# Altium PCB Graviton-EC2.PcbDoc (part 12 of 12)
Units mil, origin at the board's own origin, x right, y up, seen from the top; angles counter-clockwise.
Board outline 7874.02 x 7874.02 mil, 10 copper layers (Top Layer, Internal Plane 1, Signal Layer 1, Internal Plane 2, Signal Layer 2, Signal Layer 3, Internal Plane 3, Signal Layer 4, Internal Plane 4, Bottom Layer), stack 65.914 mil thick; 1307 components, 1540 nets, 8037 pads, 1837 vias.
Unrouted connection lines stored in the file: 117.
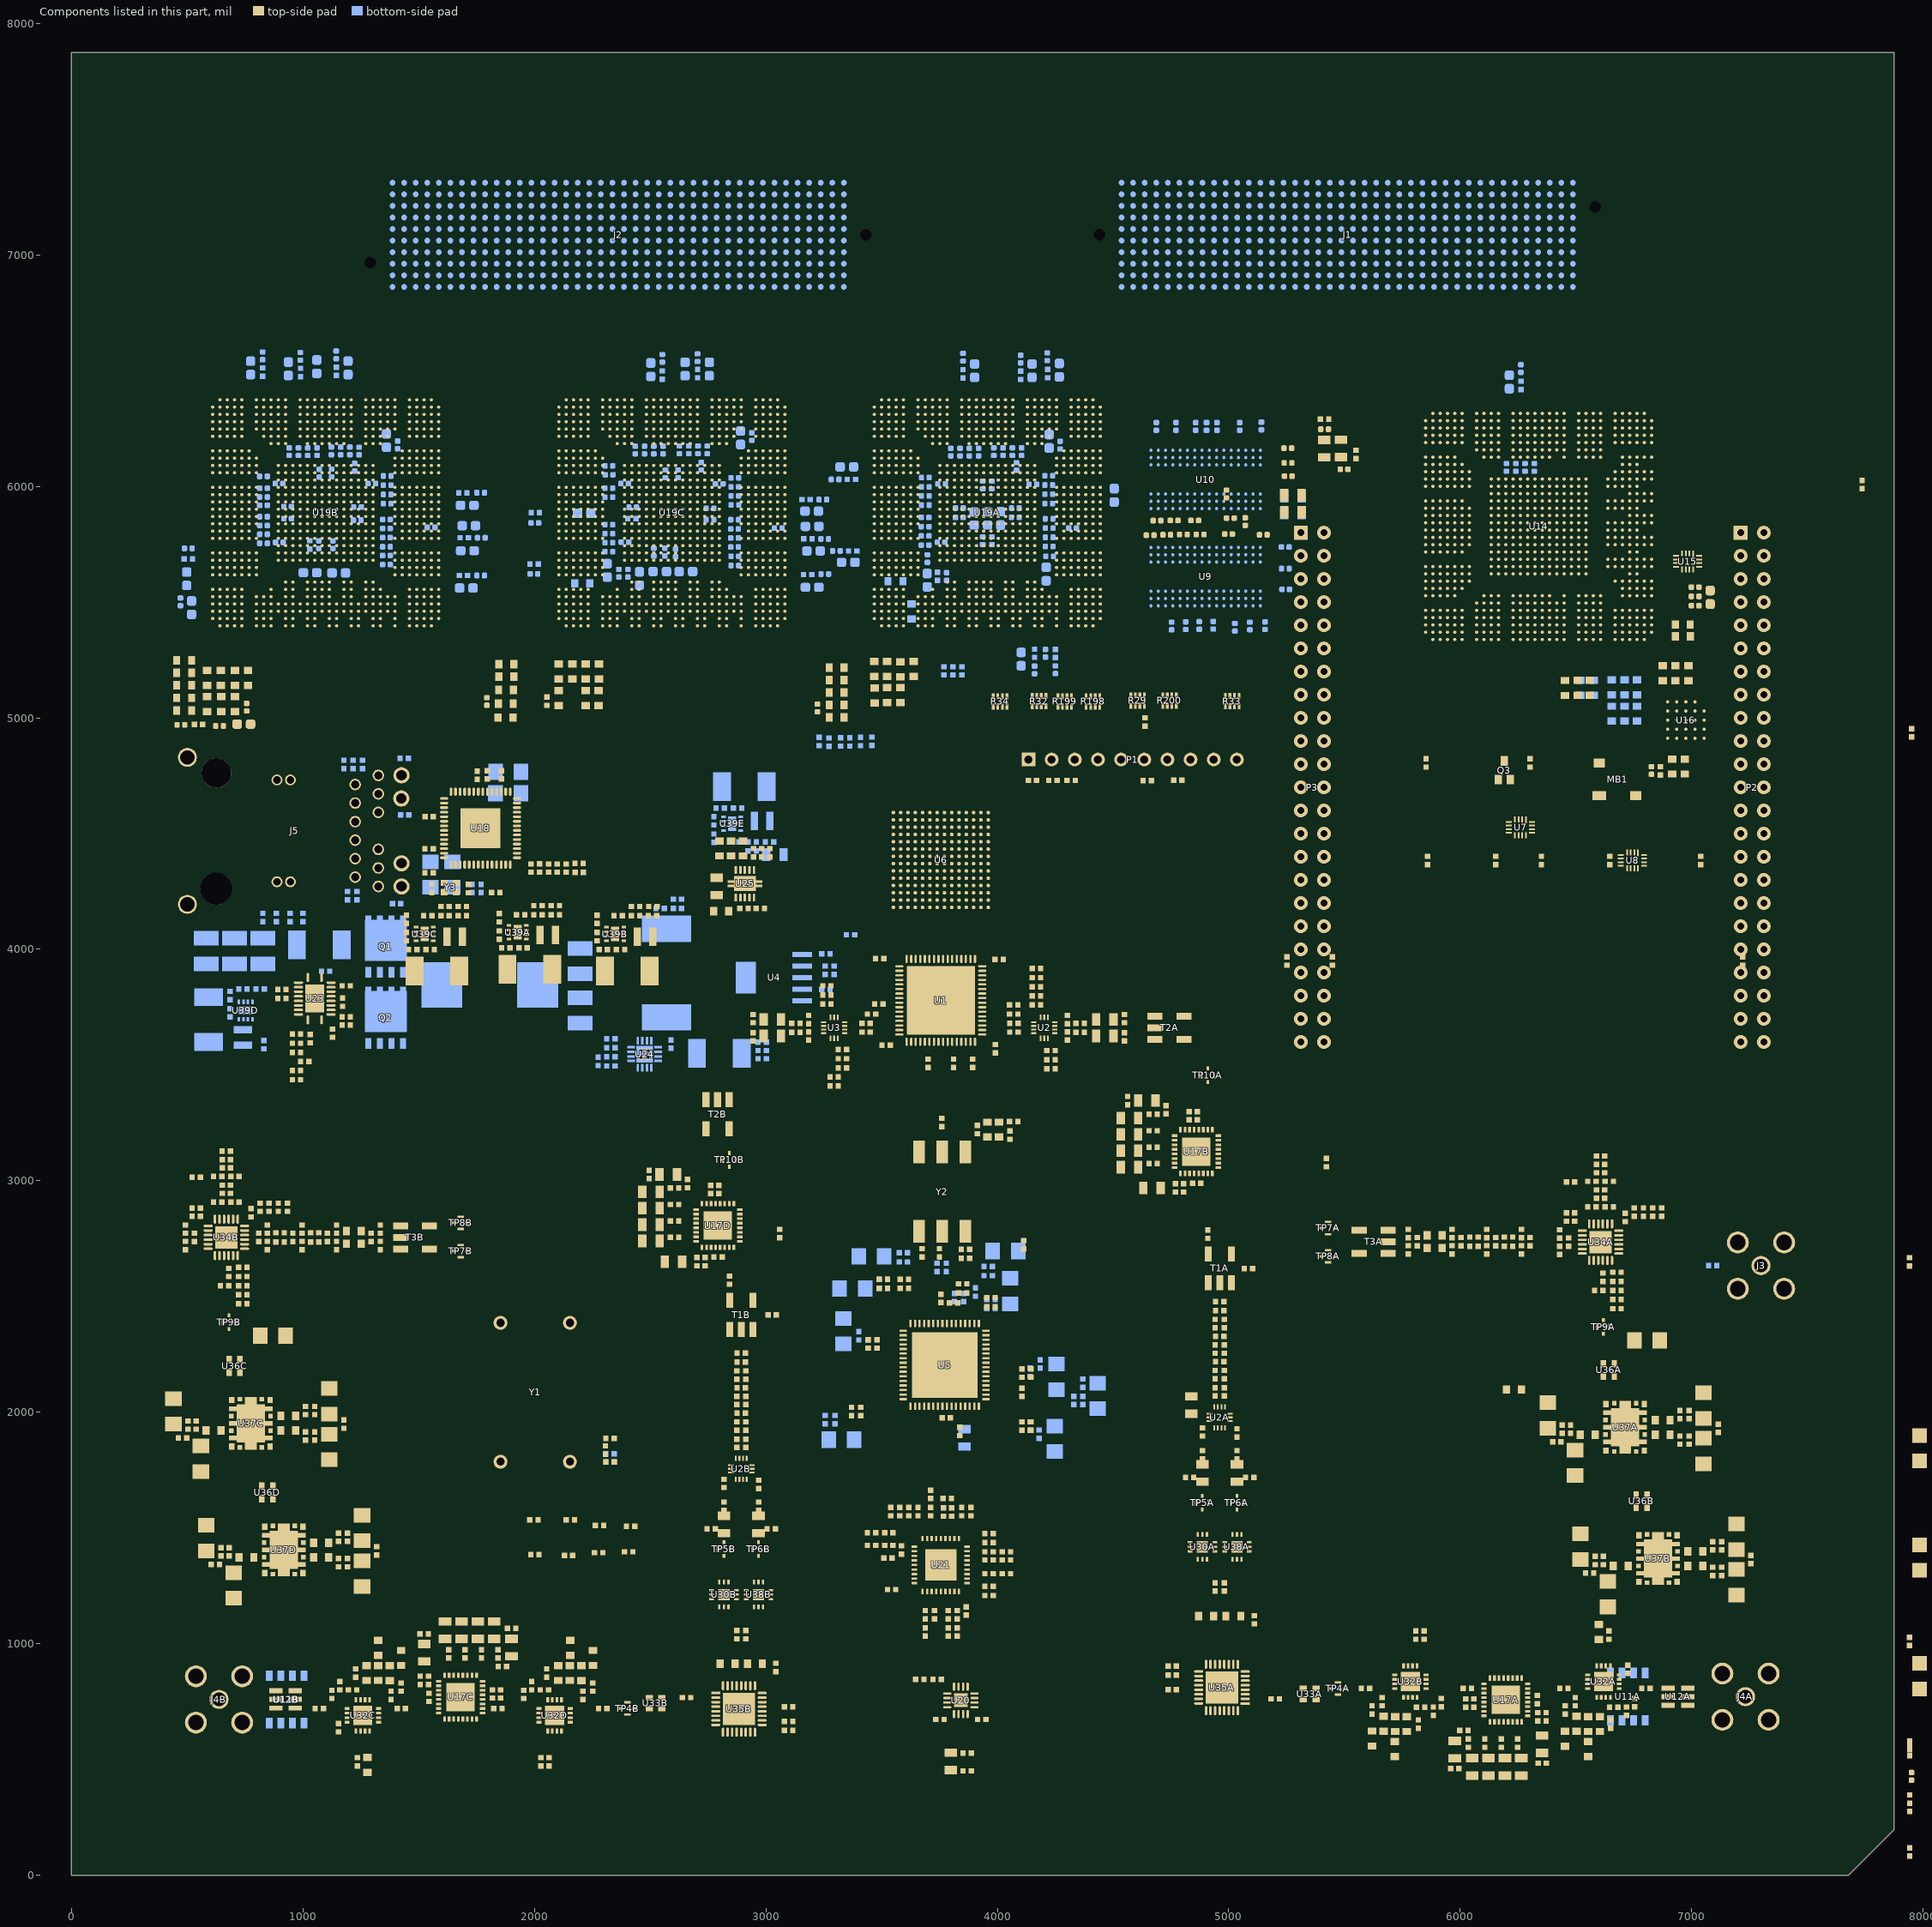
[diagram p20: the components of this part, seen from the top]

## Via types
v1: diameter 16, hole 8, Top Layer to Bottom Layer, 1443 vias
v2: diameter 16, hole 8, Top Layer to Bottom Layer, tented top, 173 vias
v3: diameter 18, hole 8, Top Layer to Bottom Layer, 132 vias
v4: diameter 25.98, hole 8, Top Layer to Bottom Layer, tented top, 36 vias
v5: diameter 25.98, hole 12, Top Layer to Bottom Layer, tented top, 36 vias
v6: diameter 23.62, hole 11.81, Top Layer to Bottom Layer, 10 vias
v7: diameter 18, hole 8, Top Layer to Bottom Layer, tented bottom, 5 vias
v8: diameter 16, hole 8, Top Layer to Bottom Layer, tented both sides, 2 vias

## Nets (pads, with @x,y where several pads share a name; then routed paths per layer and width w, separated by ;. In a path a pad name is that pad's centre, name@x,y a point inside that pad or via, vN(x,y) a via of type N, cw(c..) or ccw(c..) an arc to the next point about the centre after c; other vN are vias at no path point) (continued)
pads on no net: J1.79 J1.119 J1.122 J1.123 J1.125 J1.126 J1.128 J1.129 J1.132 J1.133 J1.135 J1.136 J1.138 J1.139 J1.142 J1.143 J1.145 J1.146 J1.148 J1.149 J1.152 J1.153 J1.155 J1.156 J1.158 J1.159 J1.162 J1.163 J1.165 J1.166 J1.168 J1.169 J1.172 J1.173 J1.175 J1.176 J1.178 J1.179 J1.182 J1.183 J1.185 J1.186 J1.188 J1.189 J1.192 J1.193 J1.195 J1.196 J1.198 J1.199 J1.209 J1.319 J1.399 J1.401 J1.402 J2.39 J2.119 J2.122 J2.123 J2.125 J2.126 J2.128 J2.129 J2.132 J2.133 J2.135 J2.136 J2.138 J2.139 J2.142 J2.143 J2.145 J2.146 J2.148 J2.149 J2.152 J2.153 J2.155 J2.156 J2.158 J2.159 J2.162 J2.163 J2.165 J2.166 J2.168 J2.169 J2.172 J2.173 J2.175 J2.176 J2.178 J2.179 J2.182 J2.183 J2.185 J2.186 J2.188 J2.189 J2.192 J2.193 J2.195 J2.196 J2.198 J2.199 J2.279 J2.319 J2.322 J2.323 J2.325 J2.326 J2.328 J2.329 J2.332 J2.333 J2.335 J2.336 J2.338 J2.339 J2.342 J2.343 J2.345 J2.346 J2.348 J2.349 J2.352 J2.353 J2.355 J2.356 J2.358 J2.359 J2.362 J2.363 J2.365 J2.366 J2.368 J2.369 J2.372 J2.373 J2.375 J2.376 J2.378 J2.379 J2.382 J2.383 J2.385 J2.386 J2.388 J2.389 J2.392 J2.393 J2.395 J2.396 J2.398 J2.399 J2.401 J2.402 J5.M1 J5.M2 P1.4 P1.5 P1.9 P1.10 R200.4 T3A.2 T3B.2 U1.28 U2.9 U2A.9 U2B.9 U3.9 U5.3 U5.4 U5.7 U5.8 U5.9 U5.13 U5.14 U5.22 U5.23 U5.29 U5.30 U5.40 U5.41 U5.46 U5.49 U5.50 U5.56 U5.57 U5.60 U5.61 U5.62 U5.63 U6.A6 U6.A7 U6.A8 U6.B6 U6.B7 U6.C3 U6.C4 U6.C11 U6.D3 U6.D4 U6.D7 U6.D11 U6.D12 U6.E3 U6.E4 U6.F3 U6.F4 U6.G3 U6.G4 U6.G12 U6.H3 U6.H4 U6.H12 U6.J3 U6.J4 U6.K3 U6.K4 U6.K12 U6.L3 U6.L4 U6.L7 U6.L11 U6.L12 U6.M3 U6.M4 U6.N6 U6.N7 U6.N8 U6.N11 U6.P6 U6.P7 U6.P8 U7.4 U7.9 U9.J1 U9.J9 U9.L1 U9.L9 U10.J1 U10.J9 U10.L1 U10.L9 U13.3 U14.A2 U14.A3 U14.A4 U14.A5 U14.A7 U14.A8 U14.A9 U14.A10 U14.A11 U14.A13 U14.A14 U14.A15 U14.A16 U14.A17 U14.A18 U14.A19 U14.A20 U14.A22 U14.A23 U14.A24 U14.A25 U14.A26 U14.A28 U14.A29 U14.A30 U14.A31 U14.AB1 U14.AB2 U14.AB3 U14.AB4 U14.AB5 U14.AB6 U14.AB7 U14.AB26 U14.AB27 U14.AB28 U14.AB29 U14.AB30 U14.AB31 U14.AB32 U14.AC1 U14.AC2 U14.AC3 U14.AC4 U14.AC5 U14.AC6 U14.AC7 U14.AC26 U14.AC27 U14.AC28 U14.AC29 U14.AC30 U14.AC31 U14.AC32 U14.AD1 U14.AD3 U14.AD4 U14.AD6 U14.AD7 U14.AD26 U14.AD27 U14.AD29 U14.AD30 U14.AD32 U14.AE1 U14.AE2 U14.AE3 U14.AE4 U14.AE5 U14.AE6 U14.AE7 U14.AE26 U14.AE27 U14.AE28 U14.AE29 U14.AE30 U14.AE31 U14.AE32 U14.AG1 U14.AG2 U14.AG24 U14.AG28 U14.AG29 U14.AG30 U14.AG31 U14.AG32 U14.AH1 U14.AH28 U14.AH30 U14.AH32 U14.AJ1 U14.AJ28 U14.AJ29 U14.AJ30 U14.AJ31 U14.AJ32 U14.AK1 U14.AK3 U14.AK9 U14.AK10 U14.AK12 U14.AK13 U14.AK15 U14.AK16 U14.AK18 U14.AK19 U14.AK21 U14.AK22 U14.AK24 U14.AK25 U14.AK28 U14.AK29 U14.AK30 U14.AK31 U14.AK32 U14.AL28 U14.AL30 U14.AL32 U14.AM28 U14.AM29 U14.AM30 U14.AM31 U14.B1 U14.B3 U14.B4 U14.B7 U14.B8 U14.B10 U14.B11 U14.B14 U14.B16 U14.B17 U14.B19 U14.B22 U14.B23 U14.B25 U14.B26 U14.B29 U14.B30 U14.C1 U14.C2 U14.C3 U14.C4 U14.C5 U14.C7 U14.C8 U14.C9 U14.C10 U14.C11 U14.C13 U14.C14 U14.C15 U14.C16 U14.C17 U14.C18 U14.C19 U14.C20 U14.C22 U14.C23 U14.C24 U14.C25 U14.C26 U14.D1 U14.D2 U14.D3 U14.D4 U14.D5 U14.D7 U14.D8 U14.D9 U14.D10 U14.D11 U14.D13 U14.D14 U14.D15 U14.D16 U14.D17 U14.D18 U14.D19 U14.D20 U14.D22 U14.D23 U14.D24 U14.D25 U14.D26 U14.E1 U14.E3 U14.E4 U14.E7 U14.E8 U14.E10 U14.E11 U14.E14 U14.E16 U14.E17 U14.E19 U14.E22 U14.E23 U14.E25 U14.E26 U14.F1 U14.F2 U14.F3 U14.F4 U14.F5 U14.F8 U14.F9 U14.F10 U14.F11 U14.F13 U14.F14 U14.F15 U14.F16 U14.F17 U14.F18 U14.F19 U14.F20 U14.F22 U14.F23 U14.F24 U14.F25 U14.G9 U14.G10 U14.G11 U14.G14 U14.G15 U14.G16 U14.G17 U14.G18 U14.G19 U14.G22 U14.G23 U14.G24 U14.H1 U14.H2 U14.H3 U14.H4 U14.H5 U14.H6 U14.H29 U14.J1 U14.J3 U14.J4 U14.J6 U14.J7 U14.K1 U14.K2 U14.K3 U14.K4 U14.K5 U14.K6 U14.K7 U14.L1 U14.L2 U14.L3 U14.L4 U14.L5 U14.L6 U14.L7 U14.L28 U14.N1 U14.N3 U14.N4 U14.N6 U14.N7 U14.N32 U14.P1 U14.P2 U14.P3 U14.P4 U14.P5 U14.P6 U14.P7 U14.P28 U14.P29 U14.P30 U14.P31 U14.P32 U14.R1 U14.R3 U14.R4 U14.R6 U14.R7 U14.R26 U14.R27 U14.R29 U14.R30 U14.R32 U14.T1 U14.T2 U14.T3 U14.T4 U14.T5 U14.T6 U14.T7 U14.T26 U14.T27 U14.T28 U14.T29 U14.T30 U14.T31 U14.T32 U14.U1 U14.U2 U14.U3 U14.U4 U14.U5 U14.U6 U14.U7 U14.U26 U14.U27 U14.U28 U14.U29 U14.U30 U14.U31 U14.U32 U14.V1 U14.V3 U14.V4 U14.V6 U14.V7 U14.V26 U14.V27 U14.V29 U14.V30 U14.V32 U14.W1 U14.W2 U14.W3 U14.W4 U14.W5 U14.W6 U14.W27 U14.W28 U14.W29 U14.W30 U14.W31 U14.W32 U14.Y1 U14.Y3 U14.Y4 U14.Y5 U14.Y6 U14.Y7 U14.Y26 U14.Y27 U14.Y28 U14.Y29 U14.Y30 U14.Y32 U16.A2 U16.A3 U16.A4 U16.A5 U16.B1 U16.B5 U16.C1 U16.C3 U16.C5 U16.D1 U16.D5 U16.E1 U16.E2 U16.E3 U16.E4 U16.E5 U17A.4 U17A.21 U17A.22 U17A.24 U17A.25 U17B.4 U17B.21 U17B.22 U17B.24 U17B.25 U17C.4 U17C.21 U17C.22 U17C.24 U17C.25 U17D.4 U17D.21 U17D.22 U17D.24 U17D.25 U18.1 U18.2 U18.4 U18.5 U18.9 U18.29 U18.57 U19A.A16 U19A.A24 U19A.A25 U19A.A26 U19A.A28 U19A.A29 U19A.A30 U19A.A31 U19A.AC4 U19A.AC26 U19A.AC29 U19A.AC31 U19A.AD26 U19A.AD27 U19A.AE7 U19A.AE26 U19A.AE27 U19A.AE28 U19A.AE29 U19A.AG2 U19A.AG24 U19A.AG31 U19A.AG32 U19A.AH32 U19A.AJ29 U19A.AJ30 U19A.AK9 U19A.AK10 U19A.AK12 U19A.AK13 U19A.AK15 U19A.AK16 U19A.AK18 U19A.AK19 U19A.AK21 U19A.AK22 U19A.AK24 U19A.AK25 U19A.AK30 U19A.B10 U19A.B16 U19A.B23 U19A.B25 U19A.B26 U19A.B29 U19A.B30 U19A.C10 U19A.C16 U19A.C23 U19A.C24 U19A.C25 U19A.C26 U19A.D16 U19A.D23 U19A.D24 U19A.D25 U19A.D26 U19A.E7 U19A.E16 U19A.E23 U19A.E25 U19A.E26 U19A.F16 U19A.F23 U19A.F24 U19A.F25 U19A.G9 U19A.G10 U19A.G11 U19A.G14 U19A.G15 U19A.G16 U19A.G17 U19A.G18 U19A.G19 U19A.G22 U19A.G23 U19A.G24 U19A.H4 U19A.H29 U19A.L5 U19A.L28 U19A.V3 U19A.V27 U19A.V30 U19A.W6 U19A.W27 U19B.A10 U19B.A11 U19B.A13 U19B.A14 U19B.A15 U19B.A16 U19B.A24 U19B.A25 U19B.A26 U19B.A28 U19B.A29 U19B.A30 U19B.A31 U19B.AC4 U19B.AC26 U19B.AC29 U19B.AC31 U19B.AD26 U19B.AD27 U19B.AE7 U19B.AE26 U19B.AE27 U19B.AE28 U19B.AE29 U19B.AG2 U19B.AG24 U19B.AG31 U19B.AG32 U19B.AH32 U19B.AJ29 U19B.AJ30 U19B.AK9 U19B.AK10 U19B.AK12 U19B.AK13 U19B.AK15 U19B.AK16 U19B.AK18 U19B.AK19 U19B.AK21 U19B.AK22 U19B.AK24 U19B.AK25 U19B.AK30 U19B.B10 U19B.B11 U19B.B14 U19B.B16 U19B.B23 U19B.B25 U19B.B26 U19B.B29 U19B.B30 U19B.C10 U19B.C11 U19B.C13 U19B.C14 U19B.C15 U19B.C16 U19B.C17 U19B.C23 U19B.C24 U19B.C25 U19B.C26 U19B.D11 U19B.D13 U19B.D14 U19B.D15 U19B.D16 U19B.D17 U19B.D23 U19B.D24 U19B.D25 U19B.D26 U19B.E7 U19B.E11 U19B.E14 U19B.E16 U19B.E23 U19B.E25 U19B.E26 U19B.F11 U19B.F13 U19B.F14 U19B.F15 U19B.F16 U19B.F23 U19B.F24 U19B.F25 U19B.G9 U19B.G10 U19B.G11 U19B.G14 U19B.G15 U19B.G16 U19B.G17 U19B.G18 U19B.G19 U19B.G22 U19B.G23 U19B.G24 U19B.H4 U19B.H29 U19B.L5 U19B.L28 U19B.V3 U19B.V27 U19B.V30 U19B.W6 U19B.W27 U19C.A10 U19C.A11 U19C.A13 U19C.A14 U19C.A15 U19C.A16 U19C.A24 U19C.A25 U19C.A26 U19C.A28 U19C.A29 U19C.A30 U19C.A31 U19C.AC4 U19C.AC26 U19C.AC29 U19C.AC31 U19C.AD26 U19C.AD27 U19C.AE7 U19C.AE26 U19C.AE27 U19C.AE28 U19C.AE29 U19C.AG2 U19C.AG24 U19C.AG31 U19C.AG32 U19C.AH32 U19C.AJ29 U19C.AJ30 U19C.AK9 U19C.AK10 U19C.AK12 U19C.AK13 U19C.AK15 U19C.AK16 U19C.AK18 U19C.AK19 U19C.AK21 U19C.AK22 U19C.AK24 U19C.AK25 U19C.AK30 U19C.B10 U19C.B11 U19C.B14 U19C.B16 U19C.B23 U19C.B25 U19C.B26 U19C.B29 U19C.B30 U19C.C10 U19C.C11 U19C.C13 U19C.C14 U19C.C15 U19C.C16 U19C.C17 U19C.C23 U19C.C24 U19C.C25 U19C.C26 U19C.D11 U19C.D13 U19C.D14 U19C.D15 U19C.D16 U19C.D17 U19C.D23 U19C.D24 U19C.D25 U19C.D26 U19C.E7 U19C.E11 U19C.E14 U19C.E16 U19C.E23 U19C.E25 U19C.E26 U19C.F11 U19C.F13 U19C.F14 U19C.F15 U19C.F16 U19C.F23 U19C.F24 U19C.F25 U19C.G9 U19C.G10 U19C.G11 U19C.G14 U19C.G15 U19C.G16 U19C.G17 U19C.G18 U19C.G19 U19C.G22 U19C.G23 U19C.G24 U19C.H4 U19C.H29 U19C.L5 U19C.L28 U19C.V3 U19C.V27 U19C.V30 U19C.W6 U19C.W27 U21.4 U21.5 U21.6 U21.12 U21.20 U21.24 U21.35 U21.37 U22.9 U23.2 U23.3 U23.6 U24.14 U24.V U25.9 U30A.13 U30B.13 U32A.5 U32A.6 U32A.7 U32A.8 U32A.9 U32A.13 U32B.5 U32B.6 U32B.7 U32B.8 U32B.9 U32B.13 U32C.5 U32C.6 U32C.7 U32C.8 U32C.9 U32C.13 U32D.5 U32D.6 U32D.7 U32D.8 U32D.9 U32D.13 U35A.1 U35A.3 U35A.6 U35A.8 U35A.9 U35A.12 U35A.14 U35A.16 U35A.18 U35A.20 U35A.23 U35A.24 U35A.25 U35A.32 U35B.1 U35B.3 U35B.6 U35B.8 U35B.9 U35B.12 U35B.14 U35B.16 U35B.18 U35B.20 U35B.23 U35B.24 U35B.25 U35B.32 U37A.2 U37A.8 U37A.24 U37A.25 U37A.26 U37B.2 U37B.8 U37B.24 U37B.25 U37B.26 U37C.2 U37C.8 U37C.24 U37C.25 U37C.26 U37D.2 U37D.8 U37D.24 U37D.25 U37D.26 U38A.13 U38B.13 Y1.1 Y3.2 Y3.4
copper on no net: | length 4612
  Top Layer w4.72: 2389.76,6374.02 2389.76,6406.1 ; 2405.51,6406.1 2405.51,6358.27 2421.26,6342.52 ; 2421.26,6374.02 2421.26,6406.1 ; 2484.25,6374.02 2484.25,6406.1 ; 2500,6406.1 2500,6358.27 2515.75,6342.52 ; 2515.75,6374.02 2515.75,6406.1 ; 2547.24,6374.02 2547.24,6406.1
  Top Layer w5: v1(2405.51,6232.28) 2421.26,6216.54 ; v1(2405.51,6263.78) 2421.26,6248.03 ; v1(2405.51,6295.28) 2421.26,6279.53 ; v1(2405.51,6326.77) 2421.26,6311.02 ; v1(2468.5,6232.28) 2484.25,6216.54 ; v1(2468.5,6295.28) 2484.25,6279.53 ; v1(2468.5,6326.77) 2484.25,6311.02 ; v1(2500,6232.28) 2515.75,6216.54 ; v1(2500,6263.78) 2515.75,6248.03 ; v1(2500,6295.28) 2515.75,6279.53 ; v1(2500,6326.77) 2515.75,6311.02 ; v1(2531.5,6232.28) 2547.24,6216.54 ; v1(2531.5,6295.28) 2547.24,6279.53 ; v1(2531.5,6326.77) 2547.24,6311.02 ; 2610.24,6279.53 v1(2625.98,6295.28) ; 2610.24,6311.02 v1(2625.98,6326.77) ; v1(3830.71,5854.33) 3846.46,5870.08 ; v1(3830.71,5917.32) 3846.46,5901.57 ; v1(3925.2,5759.84) 3940.94,5775.59 ; v1(3925.2,6011.81) 3940.94,5996.06 ; 3972.44,5775.59 v1(3988.19,5759.84) ; 3972.44,5838.58 v1(3988.19,5822.83) ; 3972.44,5996.06 v1(3988.19,6011.81) ; 4003.94,5838.58 v1(4019.68,5822.83) ; 4003.94,5870.08 v1(4019.68,5854.33) ; 4066.93,5870.08 v1(4082.68,5854.33) ; 4066.93,5901.57 v1(4082.68,5917.32) ; 4318.9,5838.58 v1(4334.65,5822.83)
  Top Layer w10: 6497.05,692.72 6502.95,686.81 ; 6552.17,577.56 6553.15,578.54
  Top Layer w11.81: 6645.47,726.38 6648.62,729.53 ; 6718.7,866.14 6724.41,871.85
  Signal Layer 2 w5.51: v3(1862.2,7236.61) 1878.96,7219.86 1878.96,6755.91 ; v3(1912.2,7236.61) 1929.13,7219.68 1929.13,6751.97
  Signal Layer 3 w4.72: v3(1862.2,7086.61) 1878.57,7070.25 1878.57,6752.58
  Signal Layer 3 w5.51: v3(1862.2,7186.61) 1895.45,7153.37 1895.45,6756.3 ; v3(1912.2,7086.61) 1929.13,7069.68 1929.13,6751.97 ; v3(1912.2,7186.61) 1944.64,7154.18 1944.64,6752.21
  Signal Layer 4 w4.72: v3(1862.2,7036.61) 1895.84,7002.98 1895.84,6753.76
  Signal Layer 4 w5.51: 1862.2,6751.97 v3(1862.2,6886.61) ; v3(1862.2,6936.61) 1878.96,6919.86 1878.96,6752.98 ; v3(1912.2,6936.61) 1929.13,6919.68 1929.13,6751.97 ; v3(1912.2,7036.61) 1944.88,7003.94 1944.88,6751.97
  other v2: 4589,5306 4641.42,5482 4711,5499.75 4679.5,5531.25 4711,5531.25 5026,5720.25 5057.5,5919.75 5089,5919.75 5152,5919.75 4679.5,5951.25 4711,5951.25 5120.5,5951.25 5152,5951.25

## Polygon pours and split planes (outlines as drawn)
GND on Top Layer "TOP-GND-MOUNT" (solid, remove dead copper, pour order 10): 0,7874.02 509.01,7365 ccw(c787.4,7086.61) 393.7,7086.61 393.7,787.4 ccw(c787.4,787.4) 509.01,509.01 0,0
GND on Top Layer "TOP-GND-MOUNT" (solid, remove dead copper, pour order 12): 7874.02,7874.02 7365,7365 ccw(c7086.61,7086.61) 7086.61,7480.31 787.4,7480.31 ccw(c787.4,7086.61) 509.01,7365 0,7874.02
GND on Top Layer "TOP-GND-MOUNT" (solid, remove dead copper, pour order 14): 7874.02,0 7365,509.01 ccw(c7086.61,787.4) 7480.31,787.4 7480.31,7086.61 ccw(c7086.61,7086.61) 7365,7365 7874.02,7874.02
GND on Top Layer "TOP-GND-MOUNT" (solid, remove dead copper, pour order 16): 0,0 509.01,509.01 ccw(c787.4,787.4) 787.4,393.7 7086.61,393.7 ccw(c7086.61,787.4) 7365,509.01 7874.02,0
GND on Bottom Layer "BOT-GND-MOUNT" (solid, remove dead copper, pour order 8): 0,7874.02 509.01,7365 ccw(c787.4,7086.61) 393.7,7086.61 393.7,787.4 ccw(c787.4,787.4) 509.01,509.01 0,0
GND on Bottom Layer "BOT-GND-MOUNT" (solid, remove dead copper, pour order 6): 7874.02,7874.02 7365,7365 ccw(c7086.61,7086.61) 7086.61,7480.31 787.4,7480.31 ccw(c787.4,7086.61) 509.01,7365 0,7874.02
GND on Bottom Layer "BOT-GND-MOUNT" (solid, remove dead copper, pour order 4): 7874.02,0 7365,509.01 ccw(c7086.61,787.4) 7480.31,787.4 7480.31,7086.61 ccw(c7086.61,7086.61) 7365,7365 7874.02,7874.02
GND on Bottom Layer "BOT-GND-MOUNT" (solid, remove dead copper, pour order 2): 0,0 509.01,509.01 ccw(c787.4,787.4) 787.4,393.7 7086.61,393.7 ccw(c7086.61,787.4) 7365,509.01 7874.02,0
no net on Internal Plane 1 (split plane): 7853.92,205.17 7668.84,20.1 20.1,20.1 20.1,7853.92 7853.92,7853.92
no net on Internal Plane 2 (split plane): 7853.92,205.17 7668.84,20.1 20.1,20.1 20.1,7853.92 7853.92,7853.92
no net on Internal Plane 3 (split plane): 7853.92,205.17 7668.84,20.1 20.1,20.1 20.1,7853.92 7853.92,7853.92
no net on Internal Plane 4 (split plane): 7853.92,205.17 7668.84,20.1 20.1,20.1 20.1,7853.92 7853.92,7853.92

## Keep-outs
Keep-Out Layer:
  the board outline again, w20

## Other copper
Signal Layer 2:
  rectangle net PP5V: 2066.93,3720.47 2173.23,4039.37
  rectangle net PP3V3: 3350.39,948.82 4149.61,1728.35
  rectangle net PP3V3: 3228.35,1748.03 4346.46,2818.9
Bottom Layer:
  rectangle net VIN48V: 523.62,4007.87 1015.75,4082.68
  rectangle net VIN48V: 933.07,3925.2 1019.68,4133.86
  rectangle net NetC329_1: 1314.96,3641.73 1688.98,3929.13
  rectangle net NetF1_2: 1129.92,3956.69 1460.63,4153.54
  rectangle net PP5V: 1925.2,3740.16 2271.65,3944.88
  rectangle net NetC339_2: 2460.63,3594.49 2622.05,3763.78

## Silkscreen, mask and mechanical layers (free items; w line width, h text height)
Top Overlay:
  lines w5.91: 742.13,3159.45 712.6,3129.92 ; 779.53,2944.88 748.03,2913.39 ; 787.4,2515.75 807.09,2496.06 787.4,2476.38 787.4,2559.06 807.09,2539.37 ; 960.63,2885.83 1066.93,2885.83 1114.17,2933.07 1114.17,3039.37 1137.8,3062.99 1177.17,3062.99 ; 1299.21,1043.31 1299.21,1062.99 1429.13,1062.99 ; 1303.15,2374.02 1322.83,2354.33 1303.15,2334.65 1303.15,2417.32 1322.83,2397.64 ; 1429.13,1437.01 1429.13,1062.99 ; 1456.69,763.78 1456.69,1062.99 1429.13,1062.99 ; 3192.91,1645.67 3192.91,1535.43 3248.03,1535.43 3263.78,1519.68 3263.78,1488.19 3314.96,1488.19 ; 3405.51,1496.06 3405.51,1385.83 3460.63,1385.83 3476.38,1370.08 3476.38,1338.58 3527.56,1338.58 ; 3590.55,1535.43 3590.55,1515.75 3917.32,1515.75 3917.32,1535.43 ; 3929.13,1527.56 3984.4,1538.61 ; 3996.06,1555.12 3996.06,1535.43 4322.83,1535.43 4322.83,1555.12 ; 5255.91,1397.64 5255.91,1318.9 5614.17,1318.9 5614.17,1259.84 5692.91,1259.84 ; 5566.93,551.18 5566.93,472.44 5925.2,472.44 5925.2,413.39 6003.94,413.39 ; 5866.14,1259.84 5984.25,1259.84 5984.25,1318.9 6220.47,1318.9 6220.47,1437.01 6318.9,1437.01 6318.9,1476.38 ; 6318.9,413.39 6437.01,413.39 6437.01,472.44 6673.23,472.44 6673.23,590.55 6771.65,590.55 6771.65,629.92 ; 6913.39,2866.14 7039.37,2866.14 7090.55,2917.32 7090.55,3015.75 ; 7092.52,3177.17 7108.27,3192.91 ; 712.6,3129.92 712.6,3129.92 ; 748.03,2913.39 748.03,2913.39 ; 1417.32,1437.01 1417.32,1905.51 1594.49,1905.51 1594.49,1437.01 1417.32,1437.01
Top Solder:
  region: 0,7874.02 511.8,7362.22 ccw(c787.4,7086.61) 397.64,7086.61 397.64,787.4 ccw(c787.4,787.4) 511.8,511.8 0,0
  region: 7874.02,7874.02 7362.22,7362.22 ccw(c7086.61,7086.61) 7086.61,7476.38 787.4,7476.38 ccw(c787.4,7086.61) 511.8,7362.22 0,7874.02
  region: 7874.02,7874.02 7874.02,196.85 7775.59,98.43 7362.22,511.8 ccw(c7086.61,787.4) 7476.38,787.4 7476.38,7086.61 ccw(c7086.61,7086.61) 7362.22,7362.22
  region: 0,0 7677.17,0 7775.59,98.43 7362.22,511.8 cw(c7086.61,787.4) 7086.61,397.64 787.4,397.64 cw(c787.4,787.4) 511.8,511.8
Bottom Solder:
  region: 0,7874.02 511.8,7362.22 ccw(c787.4,7086.61) 397.64,7086.61 397.64,787.4 ccw(c787.4,787.4) 511.8,511.8 0,0
  region: 7874.02,7874.02 7362.22,7362.22 ccw(c7086.61,7086.61) 7086.61,7476.38 787.4,7476.38 ccw(c787.4,7086.61) 511.8,7362.22 0,7874.02
  region: 7874.02,7874.02 7874.02,196.85 7775.59,98.43 7362.22,511.8 ccw(c7086.61,787.4) 7476.38,787.4 7476.38,7086.61 ccw(c7086.61,7086.61) 7362.22,7362.22
  region: 0,0 7677.17,0 7775.59,98.43 7362.22,511.8 cw(c7086.61,787.4) 7086.61,397.64 787.4,397.64 cw(c787.4,787.4) 511.8,511.8
Mechanical 1:
  lines w2.99: 35.43,12826.77 22578.74,12826.77 22578.74,31374.02 35.43,31374.02 35.43,12826.77
  lines w39.37: 393.7,1043.31 3342.52,1043.31 ; 393.7,3492.13 7476.38,3492.13 ; 393.7,4834.65 3102.36,4834.65 3106.3,4830.71 3106.3,3496.06 ; 3338.58,389.76 3338.58,1039.37 ; 4476.38,393.7 4476.38,1015.75 7480.32,1015.75
  text "DIGITAL COMPONENTS" at 173.23,13224.41 h120
  text "ROBBIE PLEASE PLACE THESE COMPONENTS" at 161.42,12944.88 h120
  text "DIGITAL" at 5629.92,3543.31 h60
  text "POWER" at 1771.65,3535.43 h60
  text "RF/ANALOG" at 5551.18,3381.89 h60
Mechanical 2:
  lines w10: 0,0 0,7874.02 7874.02,7874.02 7874.02,196.85 7775.59,98.43 7677.17,0 0,0 ; 7362.22,492.11 7362.22,492.11
Mechanical 16:
  drawing of 776 lines, arcs and shapes, not listed
  text "1" at -932.13,8620.91 h70
  text "2" at 1818.54,8620.91 h70
  text "3" at 4563.54,8620.91 h70
  text "4" at 7314.55,8620.91 h70
  text "REV" at 10066.54,8405.91 h66.93
  text "DATE" at 10666.54,8405.91 h66.93
  text "DESC" at 11166.54,8405.91 h66.93
  text "ENG" at 13966.54,8405.91 h66.93
  text "1" at 10066.54,8205.91 h66.93
  text "*" at 10666.54,8205.91 h66.93
  text "INITIAL RELEASE" at 11166.54,8205.91 h66.93
  text "*" at 13966.54,8205.91 h66.93
  text "B" at 14606.3,7086.61 h70
  text "A" at -2208.46,5102.91 h70
  text "A" at 14591.54,5102.91 h70
  text "B" at -2208.46,2977.91 h70
  text "C" at -2208.46,852.91 h70
  text "C" at 14591.54,852.91 h70
  text "ENGINEER:" at 10066.54,-944.09 h45
  text "TITLE:" at 11566.54,-944.09 h45
  text "ALL DIMENSIONS ARE IN MM (INCHES)" at 7291.54,-1019.09 h47.24
  text "Brinton Engineering LLC" at 8716.54,-1019.09 h70
  text "*" at 10066.54,-1069.09 h70
  text "4 Avocet Drive 209" at 8716.54,-1119.09 h70
  text "TOLERANCES:" at 7726.54,-1184.09 h47.24
  text "Redwood City CA 94065" at 8716.54,-1219.09 h70
  text "*" at 11591.54,-1219.09 h86.61
  text "PCB DESIGNER:" at 10066.54,-1239.09 h45
  text "D" at -2208.46,-1267.09 h70
  text "D" at 14591.54,-1267.09 h70
  text "DECIMALS" at 7291.54,-1294.09 h47.24
  text "(858) 414 1421" at 8716.54,-1319.09 h70
  text "*" at 10066.54,-1369.09 h70
  text ".X     0.1" at 7291.54,-1419.09 h47.24
  text ".XX    0.05" at 7291.54,-1519.09 h47.24
  text "DATE:" at 10066.54,-1544.09 h45
  text "PART NO.:" at 11566.54,-1544.09 h45
  text "REV:" at 13666.54,-1544.09 h45
  text ".XXX   0.005" at 7291.54,-1619.09 h47.24
  text "*" at 10066.54,-1669.09 h66.93
  text "-" at 11566.54,-1669.09 h70
  text "1" at 13666.54,-1669.09 h70
  text "*UNLESS OTHERWISE NOTED" at 7266.54,-1844.09 h47.24
  text "FILE NAME:" at 10066.54,-1844.09 h45
  text "DWG NO:" at 11566.54,-1844.09 h45
  text "SCALE:" at 13666.54,-1844.09 h45
  text ".PCB_FILE_NAME_NO_PATH" at 10116.54,-1964.09 h70
  text "-" at 11566.54,-1969.09 h70
  text "1:1" at 13666.54,-1969.09 h70
  text "1" at -932.13,-2179.09 h70
  text "2" at 1818.54,-2179.09 h70
  text "3" at 4563.54,-2179.09 h70
  text "4" at 7314.55,-2179.09 h70
Drill Drawing:
  lines w4.92: 10620.87,4833.86 10670.87,4883.86 ; 10620.87,4933.86 10670.87,4983.86 ; 10670.87,4833.86 10720.87,4883.86 ; 10670.87,4933.86 10720.87,4983.86 ; 10720.87,4833.86 10770.87,4883.86 ; 10720.87,4933.86 10770.87,4983.86 ; 10770.87,4833.86 10820.87,4883.86 ; 10770.87,4933.86 10820.87,4983.86 ; 10820.87,4833.86 10870.87,4883.86 ; 10820.87,4933.86 10870.87,4983.86 ; 10870.87,4833.86 10920.87,4883.86 ; 10870.87,4933.86 10920.87,4983.86 ; 10920.87,4833.86 10970.87,4883.86 ; 10920.87,4933.86 10970.87,4983.86 ; 10970.87,4833.86 11020.87,4883.86 ; 10970.87,4933.86 11020.87,4983.86 ; 11020.87,4833.86 11070.87,4883.86 ; 11020.87,4933.86 11070.87,4983.86 ; 11070.87,4833.86 11120.87,4883.86 ; 11070.87,4933.86 11120.87,4983.86
  lines w10: 9470.87,4558.86 9470.87,5433.86 12170.87,5433.86 12170.87,4558.86 ; 9470.87,4758.86 12170.87,4758.86 ; 9470.87,4858.86 10570.87,4858.86 ; 9470.87,4958.86 10570.87,4958.86 ; 9470.87,5058.86 12170.87,5058.86 ; 9470.87,5158.86 12170.87,5158.86 ; 9470.87,5283.86 12170.87,5283.86 ; 9970.87,4558.86 9970.87,5433.86 ; 10630.87,5218.86 10640.87,5218.86 ; 10660.87,5198.86 10670.87,5198.86 ; 10670.87,4888.86 11070.87,4888.86 ; 10670.87,4898.86 11070.87,4898.86 ; 10670.87,4908.86 11070.87,4908.86 ; 10670.87,4913.86 11070.87,4913.86 ; 10670.87,4923.86 11070.87,4923.86 ; 10670.87,4933.86 10670.87,4883.86 ; 10690.87,5218.86 10700.87,5218.86 ; 10720.87,5198.86 10730.87,5198.86 ; 10750.87,5218.86 10760.87,5218.86 ; 10780.87,5198.86 10790.87,5198.86 ; 10810.87,5218.86 10820.87,5218.86 ; 10840.87,5198.86 10850.87,5198.86 ; 10870.87,5218.86 10880.87,5218.86 ; 10900.87,5198.86 10910.87,5198.86 ; 10930.87,5218.86 10940.87,5218.86 ; 10960.87,5198.86 10970.87,5198.86 ; 10990.87,5218.86 11000.87,5218.86 ; 11020.87,5198.86 11030.87,5198.86 ; 11050.87,5218.86 11060.87,5218.86 ; 11070.87,4933.86 11070.87,4883.86 ; 11080.87,5198.86 11090.87,5198.86 ; 11110.87,5218.86 11120.87,5218.86 ; 11220.87,4558.86 11220.87,5433.86 ; 11220.87,4858.86 12170.87,4858.86 ; 11220.87,4958.86 12170.87,4958.86 ; 10670.87,4883.86 11070.87,4883.86 ; 10670.87,4883.86 10620.87,4883.86 10620.87,4833.86 11120.87,4833.86 11120.87,4883.86 11070.87,4883.86 ; 10620.87,4933.86 10620.87,4983.86 11120.87,4983.86 11120.87,4933.86 10620.87,4933.86 ; 10620.87,5083.86 11120.87,5083.86 11120.87,5133.86 10620.87,5133.86 10620.87,5083.86 ; 10620.87,5183.86 11120.87,5183.86 11120.87,5233.86 10620.87,5233.86 10620.87,5183.86
  text "1. LEAD-FREE HASL" at 9529.63,6032.38 h45
  text "2. SOLDERMASK: GREEN" at 9529.63,5932.38 h45
  text "3. SILKSCREEN: WHITE" at 9520.87,5846.46 h45
  text "4. NO BOTTOM SOLDERMASK" at 9520.87,5746.46 h45
  text "LAYER" at 9520.87,5333.86 h45
  text "FINISH" at 11270.87,5333.86 h45
  text "SILK SCREEN" at 10020.87,5183.86 h45
  text "SOLDER MASK" at 10020.87,5083.86 h45
  text "1 (TOP) S" at 9520.87,4983.86 h45
  text "COPPER (1oz.)" at 10020.87,4983.86 h45
  text "0.036 (0.0014)" at 11245.87,4983.86 h45
  text "PHENOLIC (FR-4)" at 10020.87,4883.86 h45
  text "1.57 (0.062)" at 11245.87,4883.86 h45
  text "2 (BOT) S" at 9520.87,4783.86 h45
  text "COPPER (1oz.)" at 10020.87,4783.86 h45
  text "0.036 (0.0014)" at 11245.87,4783.86 h45
  text ".Legend" at -1633.46,-869.09 h47.24

## Text inside footprints (layer, text, board x,y; h text height)
MB1: Top Overlay "1" at 6714.54,4651.67 h30